# Altium PCB P0.PcbDoc (part 1 of 3)
Units mm, origin at the board's own origin, x right, y up, seen from the top; angles counter-clockwise.
Board outline 111.3 x 100 mm, 2 copper layers (Top Layer, Bottom Layer); 300 components, 175 nets, 873 pads, 740 vias.
Unrouted connection lines stored in the file: 7.
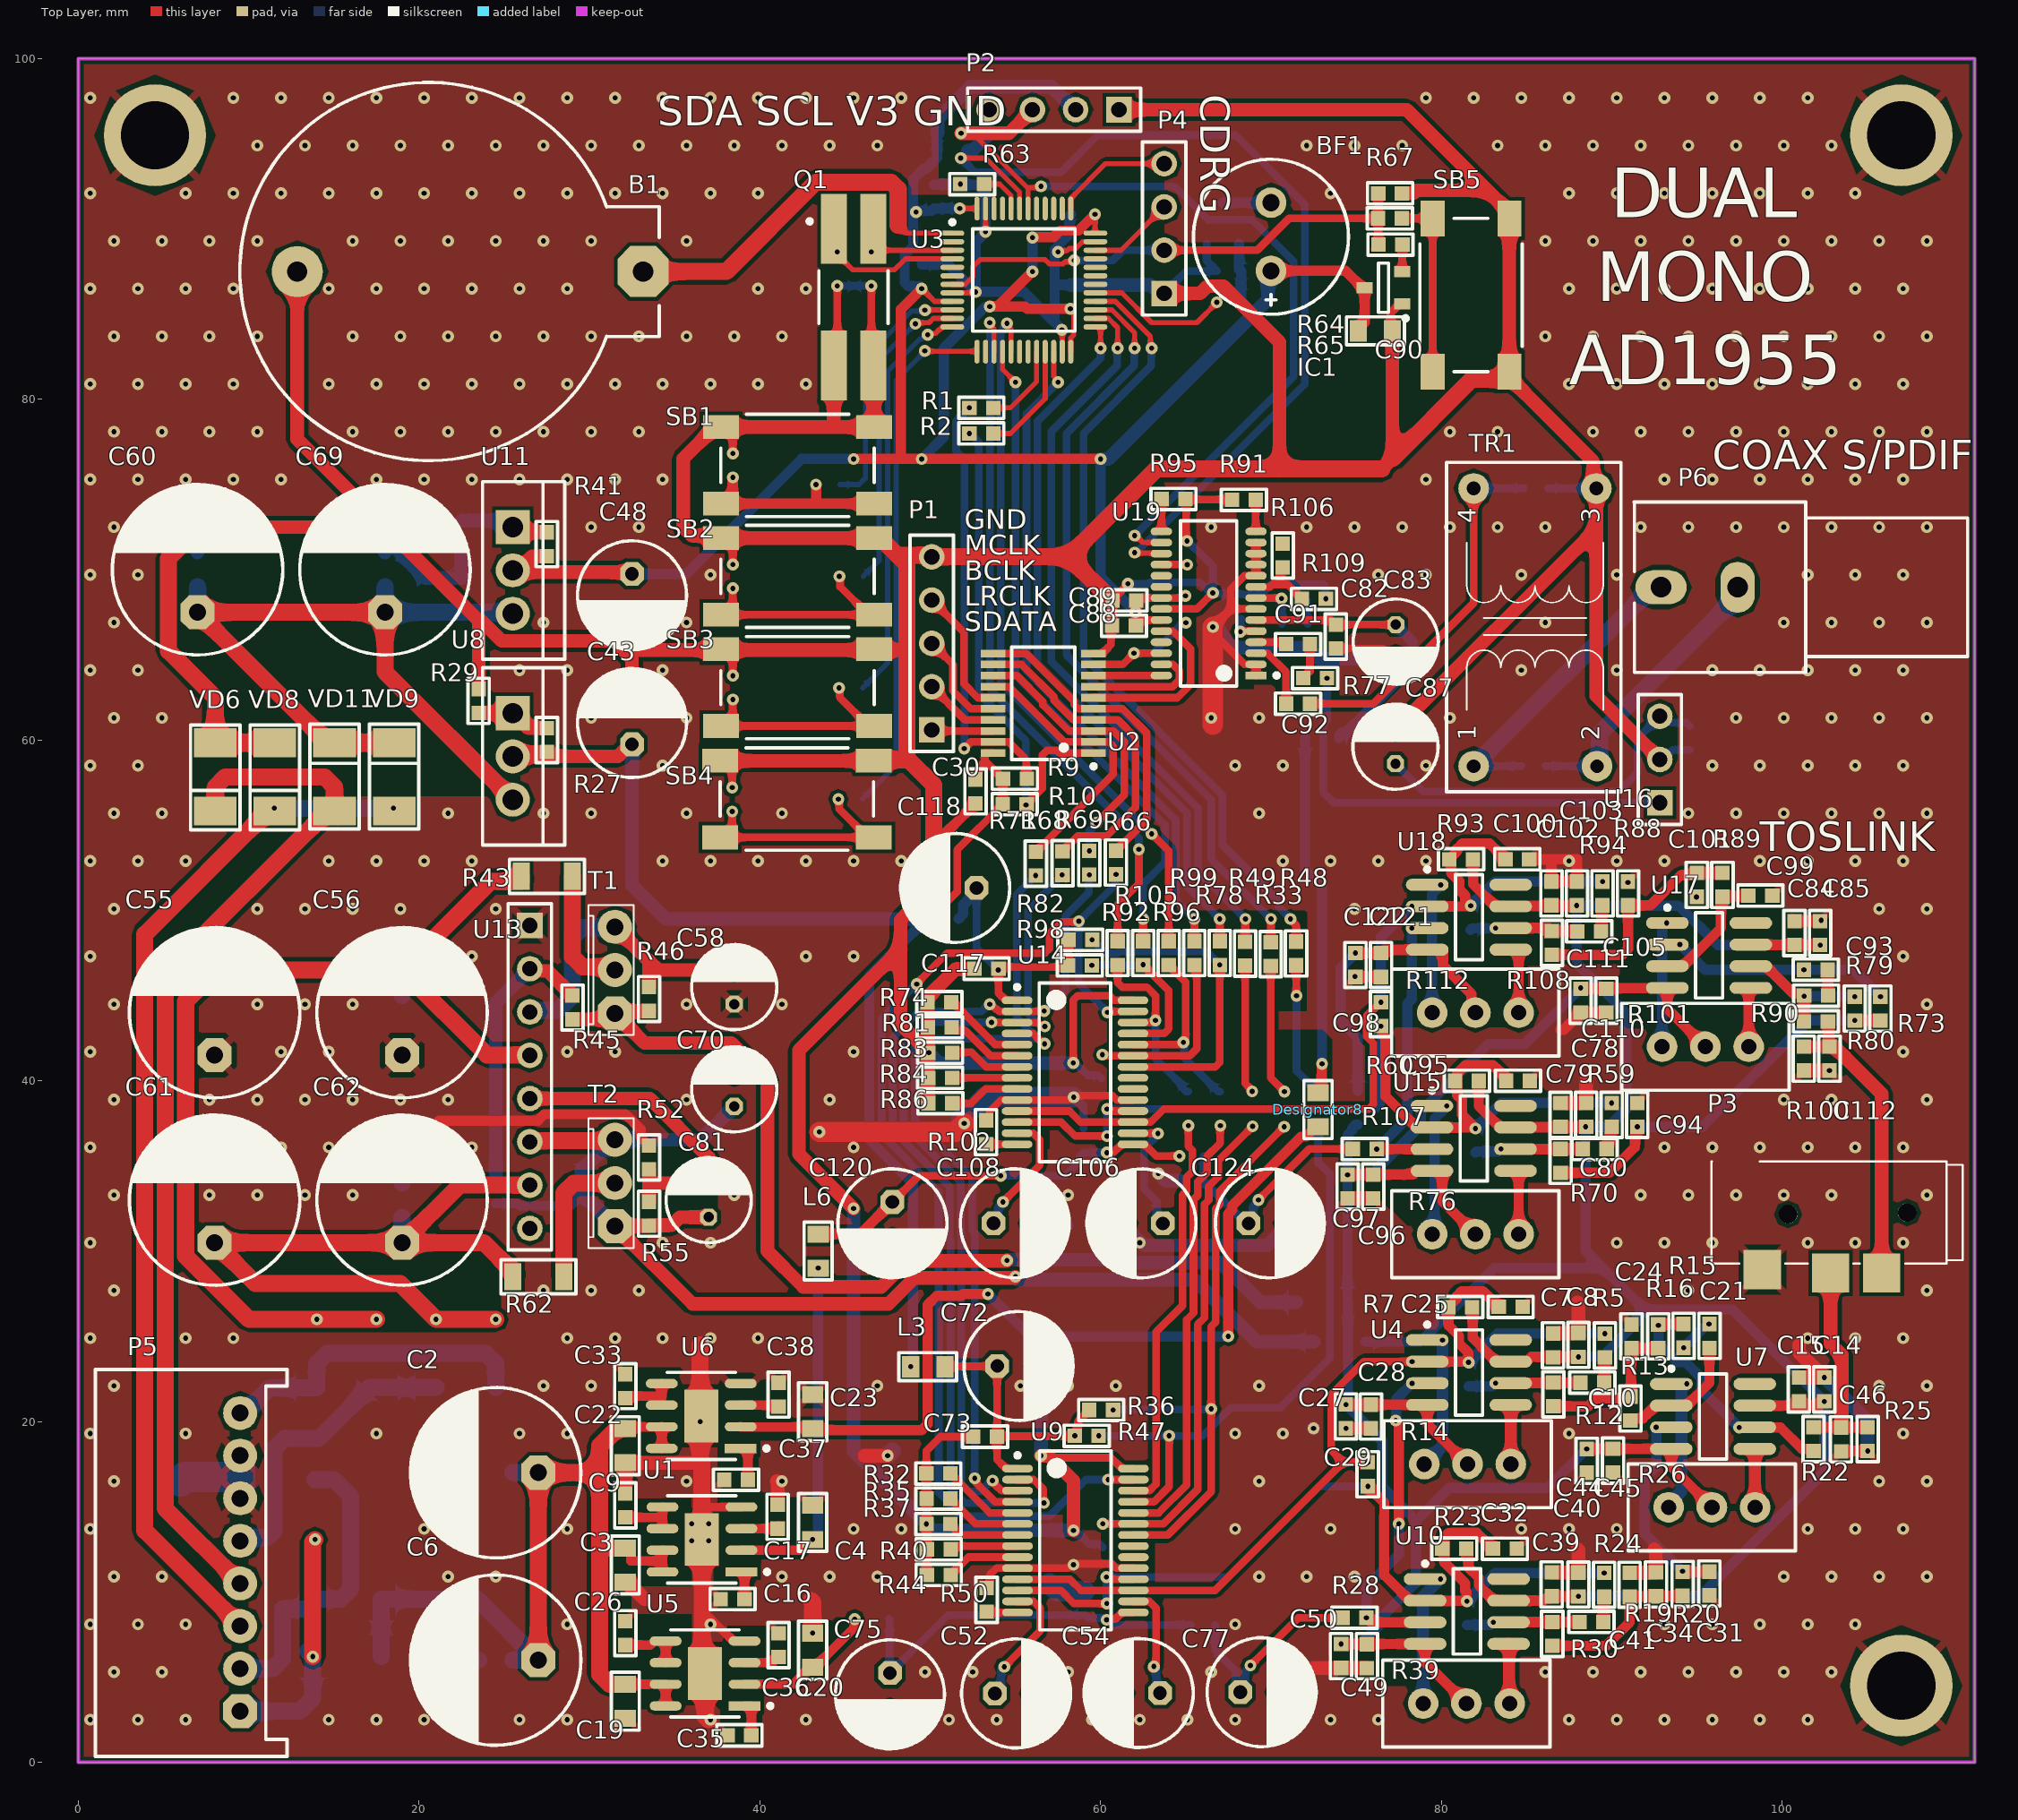
[diagram p0: Top Layer view]
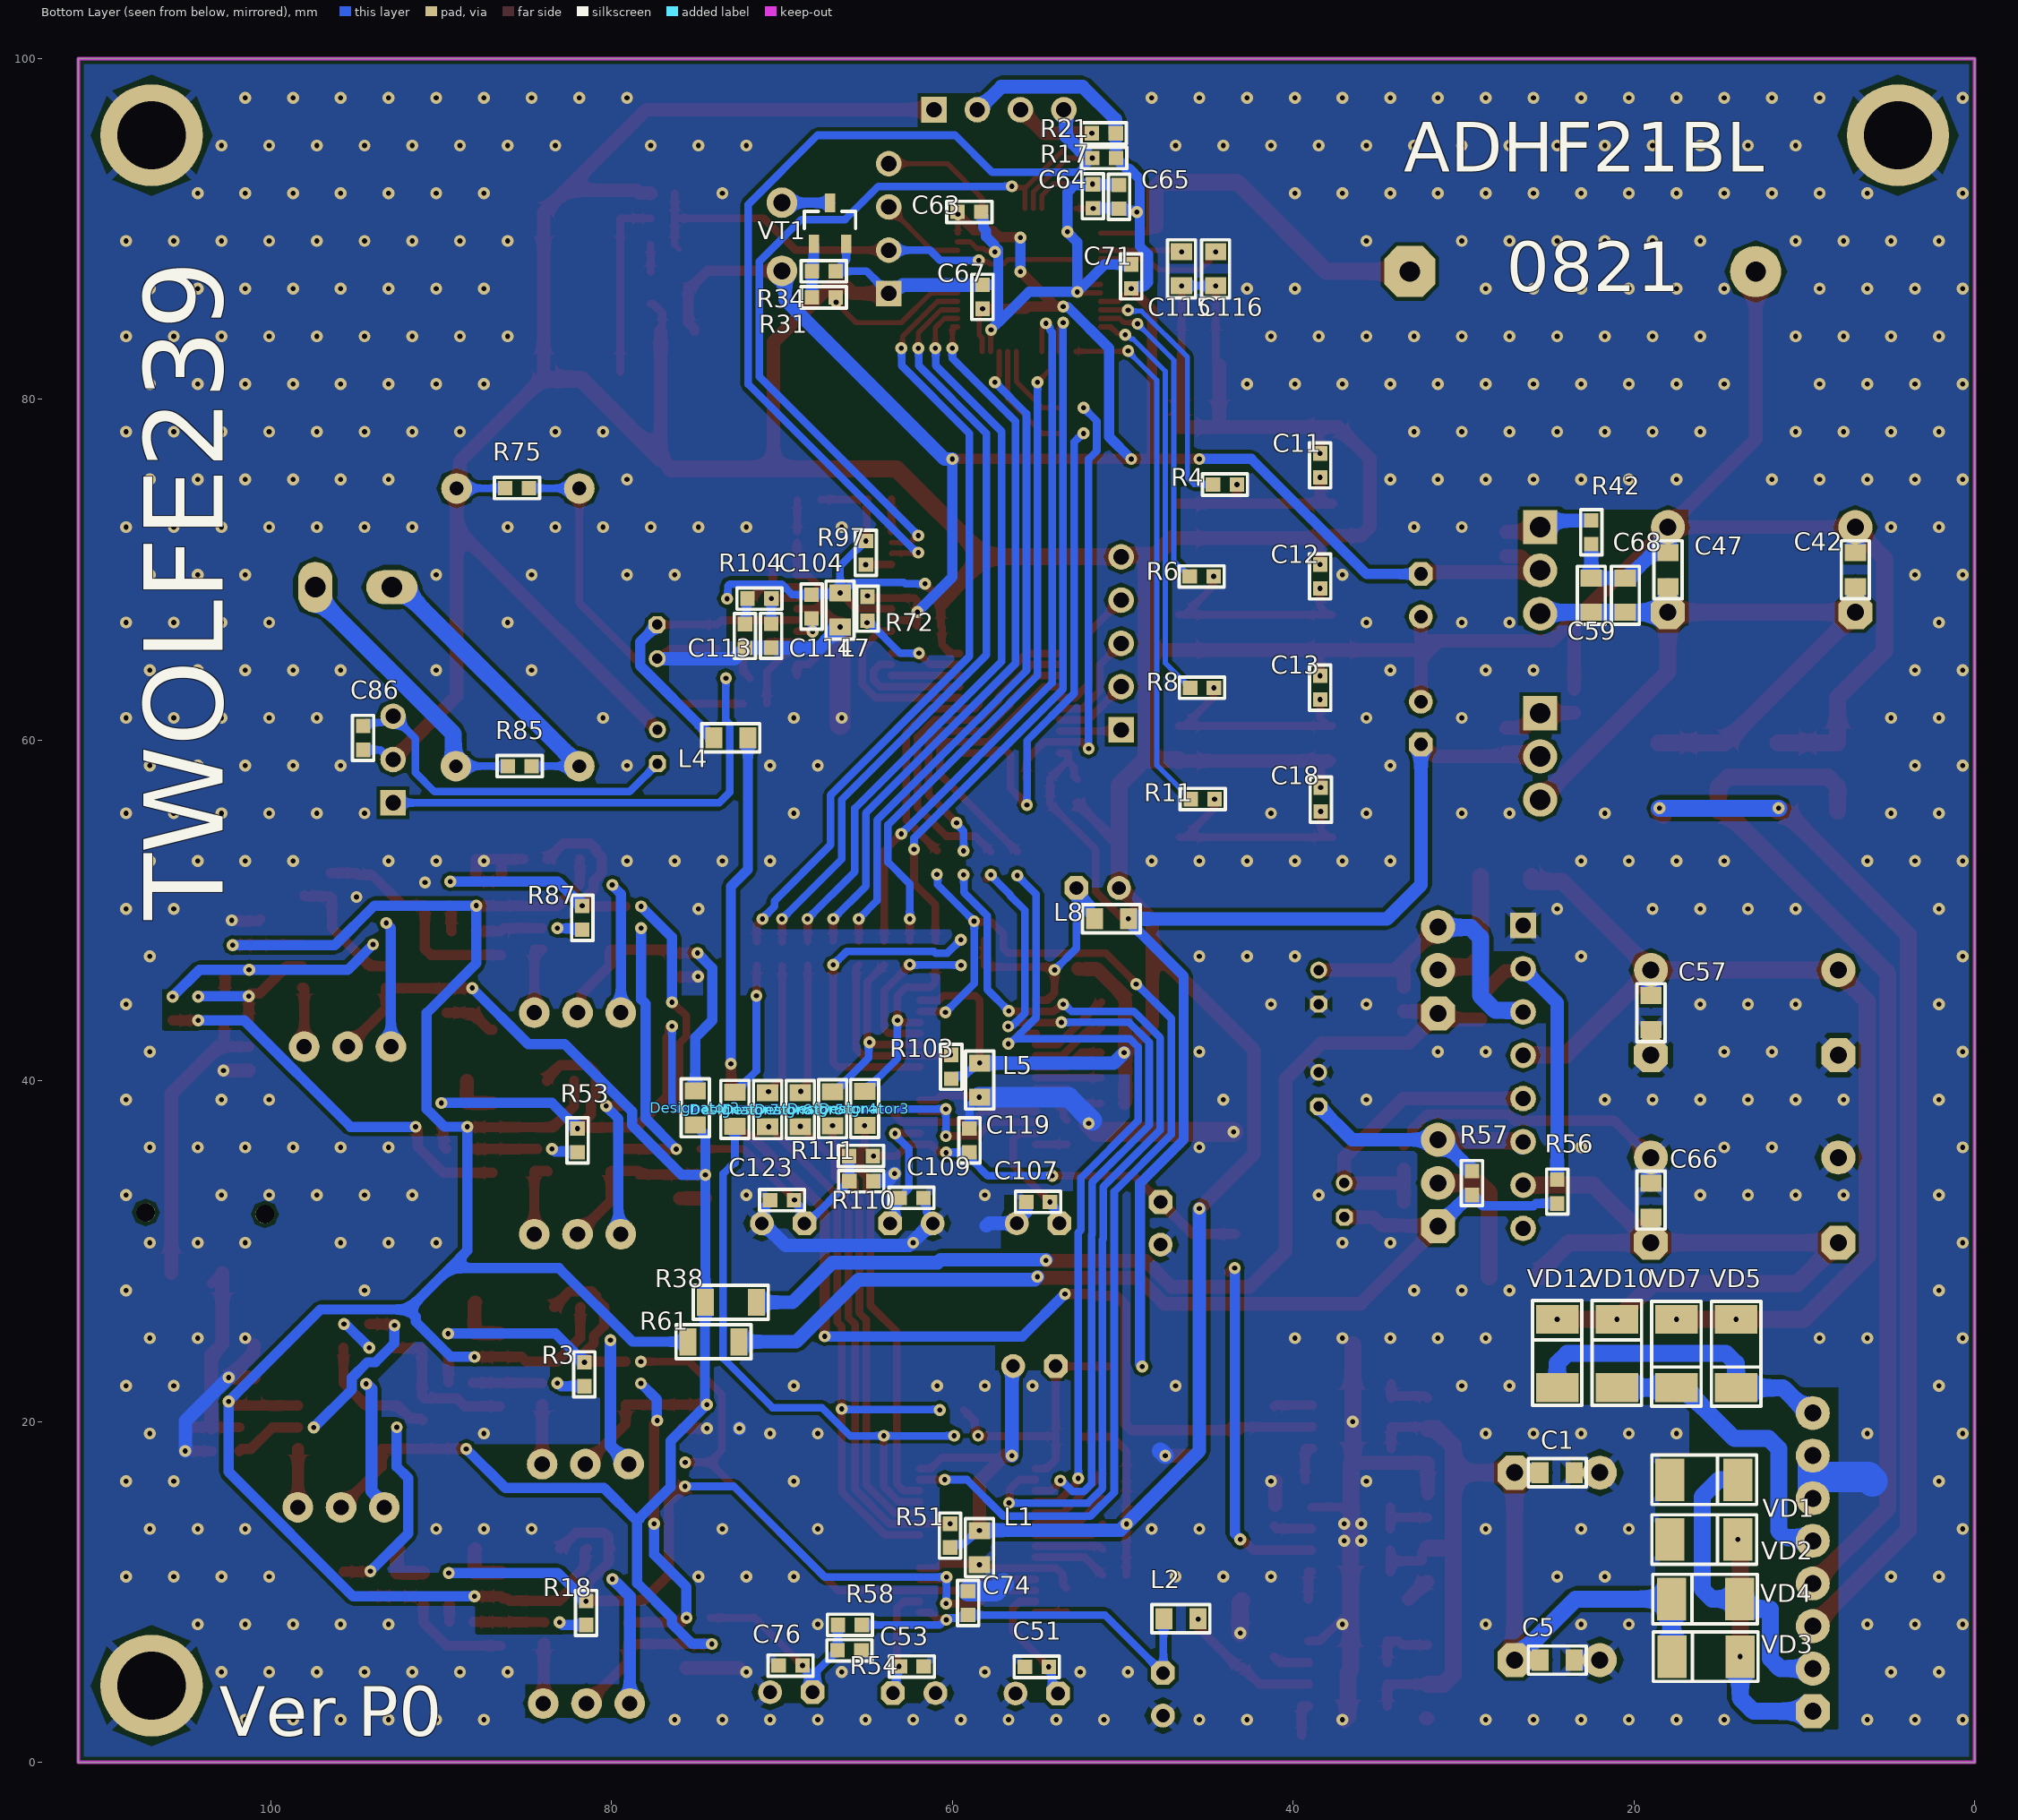
[diagram p1: Bottom Layer view, seen from below]

## Layer stack, top to bottom
Top Solder: solder mask 0.0102, Solder Resist, Dk 3.5
Top Layer: signal copper 0.0356
Dielectric 1: dielectric 0.32, FR-4, Dk 4.8
Bottom Layer: signal copper 0.0356
Bottom Solder: solder mask 0.0102, Solder Resist, Dk 3.5

## Board outline
0,0 0,100 111.302,100 111.3,99.998 111.3,0

## Design rules (kind name [scope] priority, off if disabled: settings)
BoardOutlineClearance [All] p1: gap=0.3 ignorepadtopadclearanceinfootprint=FALSE
Clearance Clearance_MultiLayerPad [OnLayer('Multi-Layer') and IsPad] p1: gap=0.2 ignorepadtopadclearanceinfootprint=FALSE except(0: Arc-Hole Track-Hole SMDPad-Hole THPad-Hole Via-Hole Fill-Hole Poly-Hole Region-Hole Text-Hole)
Clearance Clearance_Polygon [InPolygon] p2: gap=0.15 ignorepadtopadclearanceinfootprint=FALSE except(0: Arc-Hole Track-Hole SMDPad-Hole THPad-Hole Via-Hole Fill-Hole Poly-Hole Region-Hole Text-Hole; 0.2: Arc-Poly Arc-Region Track-Poly Track-Region SMDPad-Poly SMDPad-Region THPad-Poly THPad-Region Via-Poly Via-Region Fill-Poly Fill-Region Poly-Poly Poly-Region)
Clearance [All] p3: gap=0.15 ignorepadtopadclearanceinfootprint=FALSE except(0: Arc-Hole Track-Hole SMDPad-Hole THPad-Hole Via-Hole Fill-Hole Poly-Hole Region-Hole Text-Hole)
DiffPairsRouting [All] p1: maxlimit=0.4 minlimit=0.15 mostfreqgap=0.3 toplayer_minwidth=0.15 toplayer_maxwidth=0.3 toplayer_prefwidth=0.15 bottomlayer_minwidth=0.15 bottomlayer_maxwidth=0.3 bottomlayer_prefwidth=0.15 maxuncoupledlength=12.7
Height [All] p1: minheight=0 maxheight=50 prefheight=12.7
HoleSize [All] p1: absolutevalues=TRUE maxlimit=10 minlimit=0.3 maxpercent=80.000 minpercent=20.000
HoleToHoleClearance [All] p1: gap=0.3 allowstackedmicrovias=TRUE
MinimumSolderMaskSliver [All] p1: minsoldermaskwidth=0.2
PlaneClearance [All] p1: clearance=0.5
PlaneConnect [All] p1: planeconnectstyle=Relief reliefexpansion=0.5 reliefentries=4 reliefconductorwidth=0.3 reliefairgap=0.2
PolygonConnect PolygonConnect_PadGND [InNet('GND') and IsPad] p1: connectstyle=Relief reliefconductorwidth=0.45 reliefentries=4 polygonreliefangle="45 Angle" airgapwidth=0.3
PolygonConnect PolygonConnect_Via [IsVia] p2: connectstyle=Direct reliefconductorwidth=0.254 reliefentries=4 polygonreliefangle="90 Angle" airgapwidth=0.254
PolygonConnect [All] p3: connectstyle=Relief reliefconductorwidth=0.45 reliefentries=4 polygonreliefangle="45 Angle" airgapwidth=0.3
RoutingVias [All] p1: holewidth=0.3 width=0.7 viastyle="Through Hole" minholewidth=0.3 minwidth=0.6 maxholewidth=0.5 maxwidth=1.2
SilkToSolderMaskClearance [IsPad] p1: minsilkscreentomaskgap=0.2 clearancetoexposedcopper=TRUE
SolderMaskExpansion [All] p1: expansion=0.075 istentingtop=FALSE
Width [All] p1: maxlimit=10 minlimit=0.15 preferedwidth=0.15
22 further rules are at their usual default settings.

## Classes and differential pairs
component class Sheet3: B1 BF1 C1 C2 C3 C4 C5 C6 C7 C8 C9 C10 C11 C12 C13 C14 C15 C16 C17 C18 C19 C20 C21 C22 C23 C24 C25 C26 C27 C28 C29 C30 C31 C32 C33 C34 C35 C36 C37 C38 C39 C40 C41 C42 C43 C44 C45 C46 C47 C48 C49 C50 C51 C52 C53 C54 C55 C56 C57 C58 C59 C60 C61 C62 C63 C64 C65 C66 C67 C68 C69 C70 C71 C72 C73 C74 C75 C76 C77 C78 C79 C80 C81 C82 C83 C84 C85 C86 C87 C88 C89 C90 C91 C92 C93 C94 C95 C96 C97 C98 C99 C100 C101 C102 C103 C104 C105 C106 C107 C108 C109 C110 C111 C112 C113 C114 C115 C116 C117 C118 C119 C120 C121 C122 C123 C124 IC1 L1 L2 L3 L4 L5 L6 L7 L8 P1 P2 P3 P4 P5 P6 Q1 R1 R2 R3 R4 R5 R6 R7 R8 R9 R10 R11 R12 R13 R14 R15 R16 R17 R18 R19 R20 R21 R22 R23 R24 R25 R27 R29 R30 R31 R32 R33 R34 R35 R36 R37 R38 R39 R40 R41 R42 R43 R44 R45 R46 R47 R48 R49 R50 R51 R52 R53 R54 R56 R58 R60 R62 R63 R64 R65 R66 R67 R68 R69 R70 R71 R72 R73 R74 R75 R76 R77 R78 R79 R80 R81 R82 R83 R84 R85 R86 R87 R88 R89 R90 R91 R92 R93 R94 R95 R96 R97 R99 R101 R103 R105 R106 R107 R108 R109 R110 R112 SB1 SB2 SB3 SB4 SB5 T1 T2 TR1 U1 U2 U3 U4 U5 U6 U7 U8 U9 U10 U11 U13 U14 U15 U16 U17 U18 U19 VD1 VD2 VD3 VD4 VD5 VD6 VD7 VD8 VD9 VD10 VD11 VD12 VT1

## Components (designator, comment, footprint, x,y, rotation, side; value= is the part's Value field where it differs from the comment)
B1 "Single battery CR2032" "BAT: CH224-2032" 23,87.5 r180 top
BF1 "DIP switch, 2.73 kHz, 3VDC, 80mA, -20...+70°C" "BUZ: AT-0927-TT-6-R" 70.003,89.545 r270 top
C1 "Ceramic capacitor, 0.1u, X7R, ±10%, 16V, 0201, -55...+125°C" "CAP: 0805" 24.5,17 r180 bottom value=0.1u
C2 "Aluminium capacitor, 1000μF, 35V, ±20%, 54mOhm, 14x10x5 mm, -55...+105°C" "CAP: D10C5H20" 24.5,17 r180 top value=1000μF
C3 "Ceramic capacitor, 10μF, X7R, ±10%, 16V, 0201, -55...+125°C" "CAP: 0805" 32.102,11.582 r270 top value=10μF
C4 "Ceramic capacitor, 10μF, X7R, ±10%, 16V, 0201, -55...+125°C" "CAP: 0805" 43.102,14.082 r90 top value=10μF
C5 "Ceramic capacitor, 0.1u, X7R, ±10%, 16V, 0201, -55...+125°C" "CAP: 0805" 24.5,6 r180 bottom value=0.1u
C6 "Aluminium capacitor, 1000μF, 35V, ±20%, 54mOhm, 14x10x5 mm, -55...+105°C" "CAP: D10C5H20" 24.5,6 r180 top value=1000μF
C7 "Ceramic capacitor, 4.7u, X7R, ±10%, 16V, 0201, -55...+125°C" "CAP: 0603" 86.559,24.476 r90 top value=4.7u
C8 "Ceramic capacitor, 0.1u, X7R, ±10%, 16V, 0201, -55...+125°C" "CAP: 0603" 88.048,24.498 r90 top value=0.1u
C9 "Ceramic capacitor, 1u, X7R, ±10%, 16V, 0201, -55...+125°C" "CAP: 0603" 32.102,15.082 r90 top value=1u
C10 "Ceramic capacitor, 100p, X7R, ±10%, 16V, 0201, -55...+125°C" "CAP: 0603" 88.858,22.287 r0 top value=100p
C11 "Ceramic capacitor, 0.1u, X7R, ±10%, 16V, 0201, -55...+125°C" "CAP: 0603" 38.414,76.123 r270 bottom value=0.1u
C12 "Ceramic capacitor, 0.1u, X7R, ±10%, 16V, 0201, -55...+125°C" "CAP: 0603" 38.414,69.605 r270 bottom value=0.1u
C13 "Ceramic capacitor, 0.1u, X7R, ±10%, 16V, 0201, -55...+125°C" "CAP: 0603" 38.414,63.079 r270 bottom value=0.1u
C14 "Ceramic capacitor, 4.7u, X7R, ±10%, 16V, 0201, -55...+125°C" "CAP: 0603" 102.478,21.886 r270 top value=4.7u
C15 "Ceramic capacitor, 0.1u, X7R, ±10%, 16V, 0201, -55...+125°C" "CAP: 0603" 100.989,21.886 r270 top value=0.1u
C16 "Ceramic capacitor, 10u, X7R, ±10%, 16V, 0201, -55...+125°C" "CAP: 0603" 38.402,9.582 r180 top value=10u
C17 "Ceramic capacitor, 1u, X7R, ±10%, 16V, 0201, -55...+125°C" "CAP: 0603" 41.046,14.411 r90 top value=1u
C18 "Ceramic capacitor, 0.1u, X7R, ±10%, 16V, 0201, -55...+125°C" "CAP: 0603" 38.377,56.51 r270 bottom value=0.1u
C19 "Ceramic capacitor, 10μF, X7R, ±10%, 16V, 0201, -55...+125°C" "CAP: 0805" 32.102,3.582 r270 top value=10μF
C20 "Ceramic capacitor, 10μF, X7R, ±10%, 16V, 0201, -55...+125°C" "CAP: 0805" 43.102,6.582 r90 top value=10μF
C21 "Ceramic capacitor, 2.7n, X7R, ±10%, 16V, 0201, -55...+125°C" "CAP: 0603" 95.739,25.028 r90 top value=2.7n
C22 "Ceramic capacitor, 10μF, X7R, ±10%, 16V, 0201, -55...+125°C" "CAP: 0805" 32.102,18.582 r270 top value=10μF
C23 "Ceramic capacitor, 10μF, X7R, ±10%, 16V, 0201, -55...+125°C" "CAP: 0805" 43.102,20.582 r90 top value=10μF
C24 "Ceramic capacitor, 5.6n, X7R, ±10%, 16V, 0201, -55...+125°C" "CAP: 0603" 91.164,25.002 r90 top value=5.6n
C25 "Ceramic capacitor, 100p, X7R, ±10%, 16V, 0201, -55...+125°C" "CAP: 0603" 84.069,26.733 r0 top value=100p
C26 "Ceramic capacitor, 1u, X7R, ±10%, 16V, 0201, -55...+125°C" "CAP: 0603" 32.102,7.582 r90 top value=1u
C27 "Ceramic capacitor, 0.1u, X7R, ±10%, 16V, 0201, -55...+125°C" "CAP: 0603" 74.399,20.305 r270 top value=0.1u
C28 "Ceramic capacitor, 4.7u, X7R, ±10%, 16V, 0201, -55...+125°C" "CAP: 0603" 75.868,20.297 r270 top value=4.7u
C29 "Ceramic capacitor, 100p, X7R, ±10%, 16V, 0201, -55...+125°C" "CAP: 0603" 75.681,16.909 r90 top value=100p
C30 "Ceramic capacitor, 10u, X7R, ±10%, 16V, 0201, -55...+125°C" "CAP: 0603" 52.657,56.988 r90 top value=10u
C31 "Ceramic capacitor, 2.7n, X7R, ±10%, 16V, 0201, -55...+125°C" "CAP: 0603" 95.729,10.494 r90 top value=2.7n
C32 "Ceramic capacitor, 100p, X7R, ±10%, 16V, 0201, -55...+125°C" "CAP: 0603" 83.73,12.536 r0 top value=100p
C33 "Ceramic capacitor, 1u, X7R, ±10%, 16V, 0201, -55...+125°C" "CAP: 0603" 32.102,22.082 r90 top value=1u
C34 "Ceramic capacitor, 5.6n, X7R, ±10%, 16V, 0201, -55...+125°C" "CAP: 0603" 92.597,10.442 r270 top value=5.6n
C35 "Ceramic capacitor, 10u, X7R, ±10%, 16V, 0201, -55...+125°C" "CAP: 0603" 38.802,1.582 r180 top value=10u
C36 "Ceramic capacitor, 1u, X7R, ±10%, 16V, 0201, -55...+125°C" "CAP: 0603" 41.102,6.882 r90 top value=1u
C37 "Ceramic capacitor, 10u, X7R, ±10%, 16V, 0201, -55...+125°C" "CAP: 0603" 38.602,16.582 r180 top value=10u
C38 "Ceramic capacitor, 1u, X7R, ±10%, 16V, 0201, -55...+125°C" "CAP: 0603" 41.102,21.582 r90 top value=1u
C39 "Ceramic capacitor, 4.7u, X7R, ±10%, 16V, 0201, -55...+125°C" "CAP: 0603" 86.481,10.442 r90 top value=4.7u
C40 "Ceramic capacitor, 0.1u, X7R, ±10%, 16V, 0201, -55...+125°C" "CAP: 0603" 88.048,10.434 r90 top value=0.1u
C41 "Ceramic capacitor, 100p, X7R, ±10%, 16V, 0201, -55...+125°C" "CAP: 0603" 88.81,8.237 r0 top value=100p
C42 "Ceramic capacitor, 0.1u, X7R, ±10%, 16V, 0201, -55...+125°C" "CAP: 0805" 7,70 r270 bottom value=0.1u
C43 "Aluminium capacitor, 100μF, 25V, ±20%, 54mOhm, 14x10x5 mm, -55...+105°C" "CAP: D6.3C2.5H11" 32.5,61 r90 top value=100μF
C44 "Ceramic capacitor, 0.1u, X7R, ±10%, 16V, 0201, -55...+125°C" "CAP: 0603" 88.533,17.696 r270 top value=0.1u
C45 "Ceramic capacitor, 4.7u, X7R, ±10%, 16V, 0201, -55...+125°C" "CAP: 0603" 90.076,17.705 r270 top value=4.7u
C46 "Ceramic capacitor, 3.9n, X7R, ±10%, 16V, 0201, -55...+125°C" "CAP: 0603" 103.458,18.955 r90 top value=3.9n
C47 "Ceramic capacitor, 0.1u, X7R, ±10%, 16V, 0201, -55...+125°C" "CAP: 0805" 18,70 r270 bottom value=0.1u
C48 "Aluminium capacitor, 100μF, 25V, ±20%, 54mOhm, 14x10x5 mm, -55...+105°C" "CAP: D6.3C2.5H11" 32.5,68.5 r270 top value=100μF
C49 "Ceramic capacitor, 0.1u, X7R, ±10%, 16V, 0201, -55...+125°C" "CAP: 0603" 75.631,6.233 r270 top value=0.1u
C50 "Ceramic capacitor, 4.7u, X7R, ±10%, 16V, 0201, -55...+125°C" "CAP: 0603" 74.115,6.236 r270 top value=4.7u
C51 "Ceramic capacitor, 0.1u, X7R, ±10%, 16V, 0201, -55...+125°C" "CAP: 0603" 55.044,5.605 r0 bottom value=0.1u
C52 "Aluminium capacitor, 100μF, 25V, ±20%, 54mOhm, 14x10x5 mm, -55...+105°C" "CAP: D6.3C2.5H11" 55.044,4.045 r0 top value=100μF
C53 "Ceramic capacitor, 0.1u, X7R, ±10%, 16V, 0201, -55...+125°C" "CAP: 0603" 62.38,5.625 r180 bottom value=0.1u
C54 "Aluminium capacitor, 100μF, 25V, ±20%, 54mOhm, 14x10x5 mm, -55...+105°C" "CAP: D6.3C2.5H11" 62.24,4.065 r180 top value=100μF
C55 "Aluminium capacitor, 1000μF, 35V, ±20%, 54mOhm, 14x10x5 mm, -55...+105°C" "CAP: D10C5H20" 8,44 r90 top value=1000μF
C56 "Aluminium capacitor, 1000μF, 35V, ±20%, 54mOhm, 14x10x5 mm, -55...+105°C" "CAP: D10C5H20" 19,44 r90 top value=1000μF
C57 "Ceramic capacitor, 0.1u, X7R, ±10%, 16V, 0201, -55...+125°C" "CAP: 0805" 19,44 r90 bottom value=0.1u
C58 "Aluminium capacitor, 10μF, 50V, ±20%, 54mOhm, 14x10x5 mm, -55...+105°C" "CAP: D5C2H11" 38.5,45.5 r90 top value=10μF
C59 "Ceramic capacitor, 0.1u, X7R, ±10%, 16V, 0201, -55...+125°C" "CAP: 0805" 22.5,68.5 r90 bottom value=0.1u
C60 "Aluminium capacitor, 1000μF, 35V, ±20%, 54mOhm, 14x10x5 mm, -55...+105°C" "CAP: D10C5H20" 7,70 r90 top value=1000μF
C61 "Aluminium capacitor, 1000μF, 35V, ±20%, 54mOhm, 14x10x5 mm, -55...+105°C" "CAP: D10C5H20" 8,33 r90 top value=1000μF
C62 "Aluminium capacitor, 1000μF, 35V, ±20%, 54mOhm, 14x10x5 mm, -55...+105°C" "CAP: D10C5H20" 19,33 r90 top value=1000μF
C63 "Ceramic capacitor, 0.1u, X7R, ±10%, 16V, 0201, -55...+125°C" "CAP: 0603" 59,91 r0 bottom value=0.1u
C64 "Ceramic capacitor, 10u, X7R, ±10%, 16V, 0201, -55...+125°C" "CAP: 0603" 51.75,91.92 r90 bottom value=10u
C65 "Ceramic capacitor, 0.1u, X7R, ±10%, 16V, 0201, -55...+125°C" "CAP: 0603" 50.219,91.891 r270 bottom value=0.1u
C66 "Ceramic capacitor, 0.1u, X7R, ±10%, 16V, 0201, -55...+125°C" "CAP: 0805" 19,33 r90 bottom value=0.1u
C67 "Ceramic capacitor, 0.1u, X7R, ±10%, 16V, 0201, -55...+125°C" "CAP: 0603" 58.231,86.014 r270 bottom value=0.1u
C68 "Ceramic capacitor, 0.1u, X7R, ±10%, 16V, 0201, -55...+125°C" "CAP: 0805" 20.5,68.5 r90 bottom value=0.1u
C69 "Aluminium capacitor, 1000μF, 35V, ±20%, 54mOhm, 14x10x5 mm, -55...+105°C" "CAP: D10C5H20" 18,70 r90 top value=1000μF
C70 "Aluminium capacitor, 10μF, 50V, ±20%, 54mOhm, 14x10x5 mm, -55...+105°C" "CAP: D5C2H11" 38.5,39.5 r90 top value=10μF
C71 "Ceramic capacitor, 0.1u, X7R, ±10%, 16V, 0201, -55...+125°C" "CAP: 0603" 49.504,87.216 r270 bottom value=0.1u
C72 "Aluminium capacitor, 100μF, 25V, ±20%, 54mOhm, 14x10x5 mm, -55...+105°C" "CAP: D6.3C2.5H11" 55.185,23.264 r0 top value=100μF
C73 "Ceramic capacitor, 0.1u, X7R, ±10%, 16V, 0201, -55...+125°C" "CAP: 0603" 53.22,19.116 r180 top value=0.1u
C74 "Ceramic capacitor, 0.1u, X7R, ±10%, 16V, 0201, -55...+125°C" "CAP: 0603" 59.078,9.35 r90 bottom value=0.1u
C75 "Aluminium capacitor, 100μF, 25V, ±20%, 54mOhm, 14x10x5 mm, -55...+105°C" "CAP: D6.3C2.5H11" 47.637,3.992 r270 top value=100μF
C76 "Ceramic capacitor, 0.1u, X7R, ±10%, 16V, 0201, -55...+125°C" "CAP: 0603" 69.498,5.679 r0 bottom value=0.1u
C77 "Aluminium capacitor, 100μF, 25V, ±20%, 54mOhm, 14x10x5 mm, -55...+105°C" "CAP: D6.3C2.5H11" 69.451,4.115 r0 top value=100μF
C78 "Ceramic capacitor, 4.7u, X7R, ±10%, 16V, 0201, -55...+125°C" "CAP: 0603" 88.5,38 r90 top value=4.7u
C79 "Ceramic capacitor, 0.1u, X7R, ±10%, 16V, 0201, -55...+125°C" "CAP: 0603" 87,38 r90 top value=0.1u
C80 "Ceramic capacitor, 100p, X7R, ±10%, 16V, 0201, -55...+125°C" "CAP: 0603" 89,36 r0 top value=100p
C81 "Aluminium capacitor, 10μF, 50V, ±20%, 54mOhm, 14x10x5 mm, -55...+105°C" "CAP: D5C2H11" 37,33 r90 top value=10μF
C82 "Ceramic capacitor, 0.1u, X7R, ±10%, 16V, 0201, -55...+125°C" "CAP: 0603" 73.809,66.075 r90 top value=0.1u
C83 "Aluminium capacitor, 10μF, 50V, ±20%, 54mOhm, 14x10x5 mm, -55...+105°C" "CAP: D5C2H11" 77.326,65.779 r270 top value=10μF
C84 "Ceramic capacitor, 4.7u, X7R, ±10%, 16V, 0201, -55...+125°C" "CAP: 0603" 100.732,48.675 r270 top value=4.7u
C85 "Ceramic capacitor, 0.1u, X7R, ±10%, 16V, 0201, -55...+125°C" "CAP: 0603" 102.232,48.675 r270 top value=0.1u